# Altium PCB PCB_ControlCard.PcbDoc (part 1 of 4) (continued)
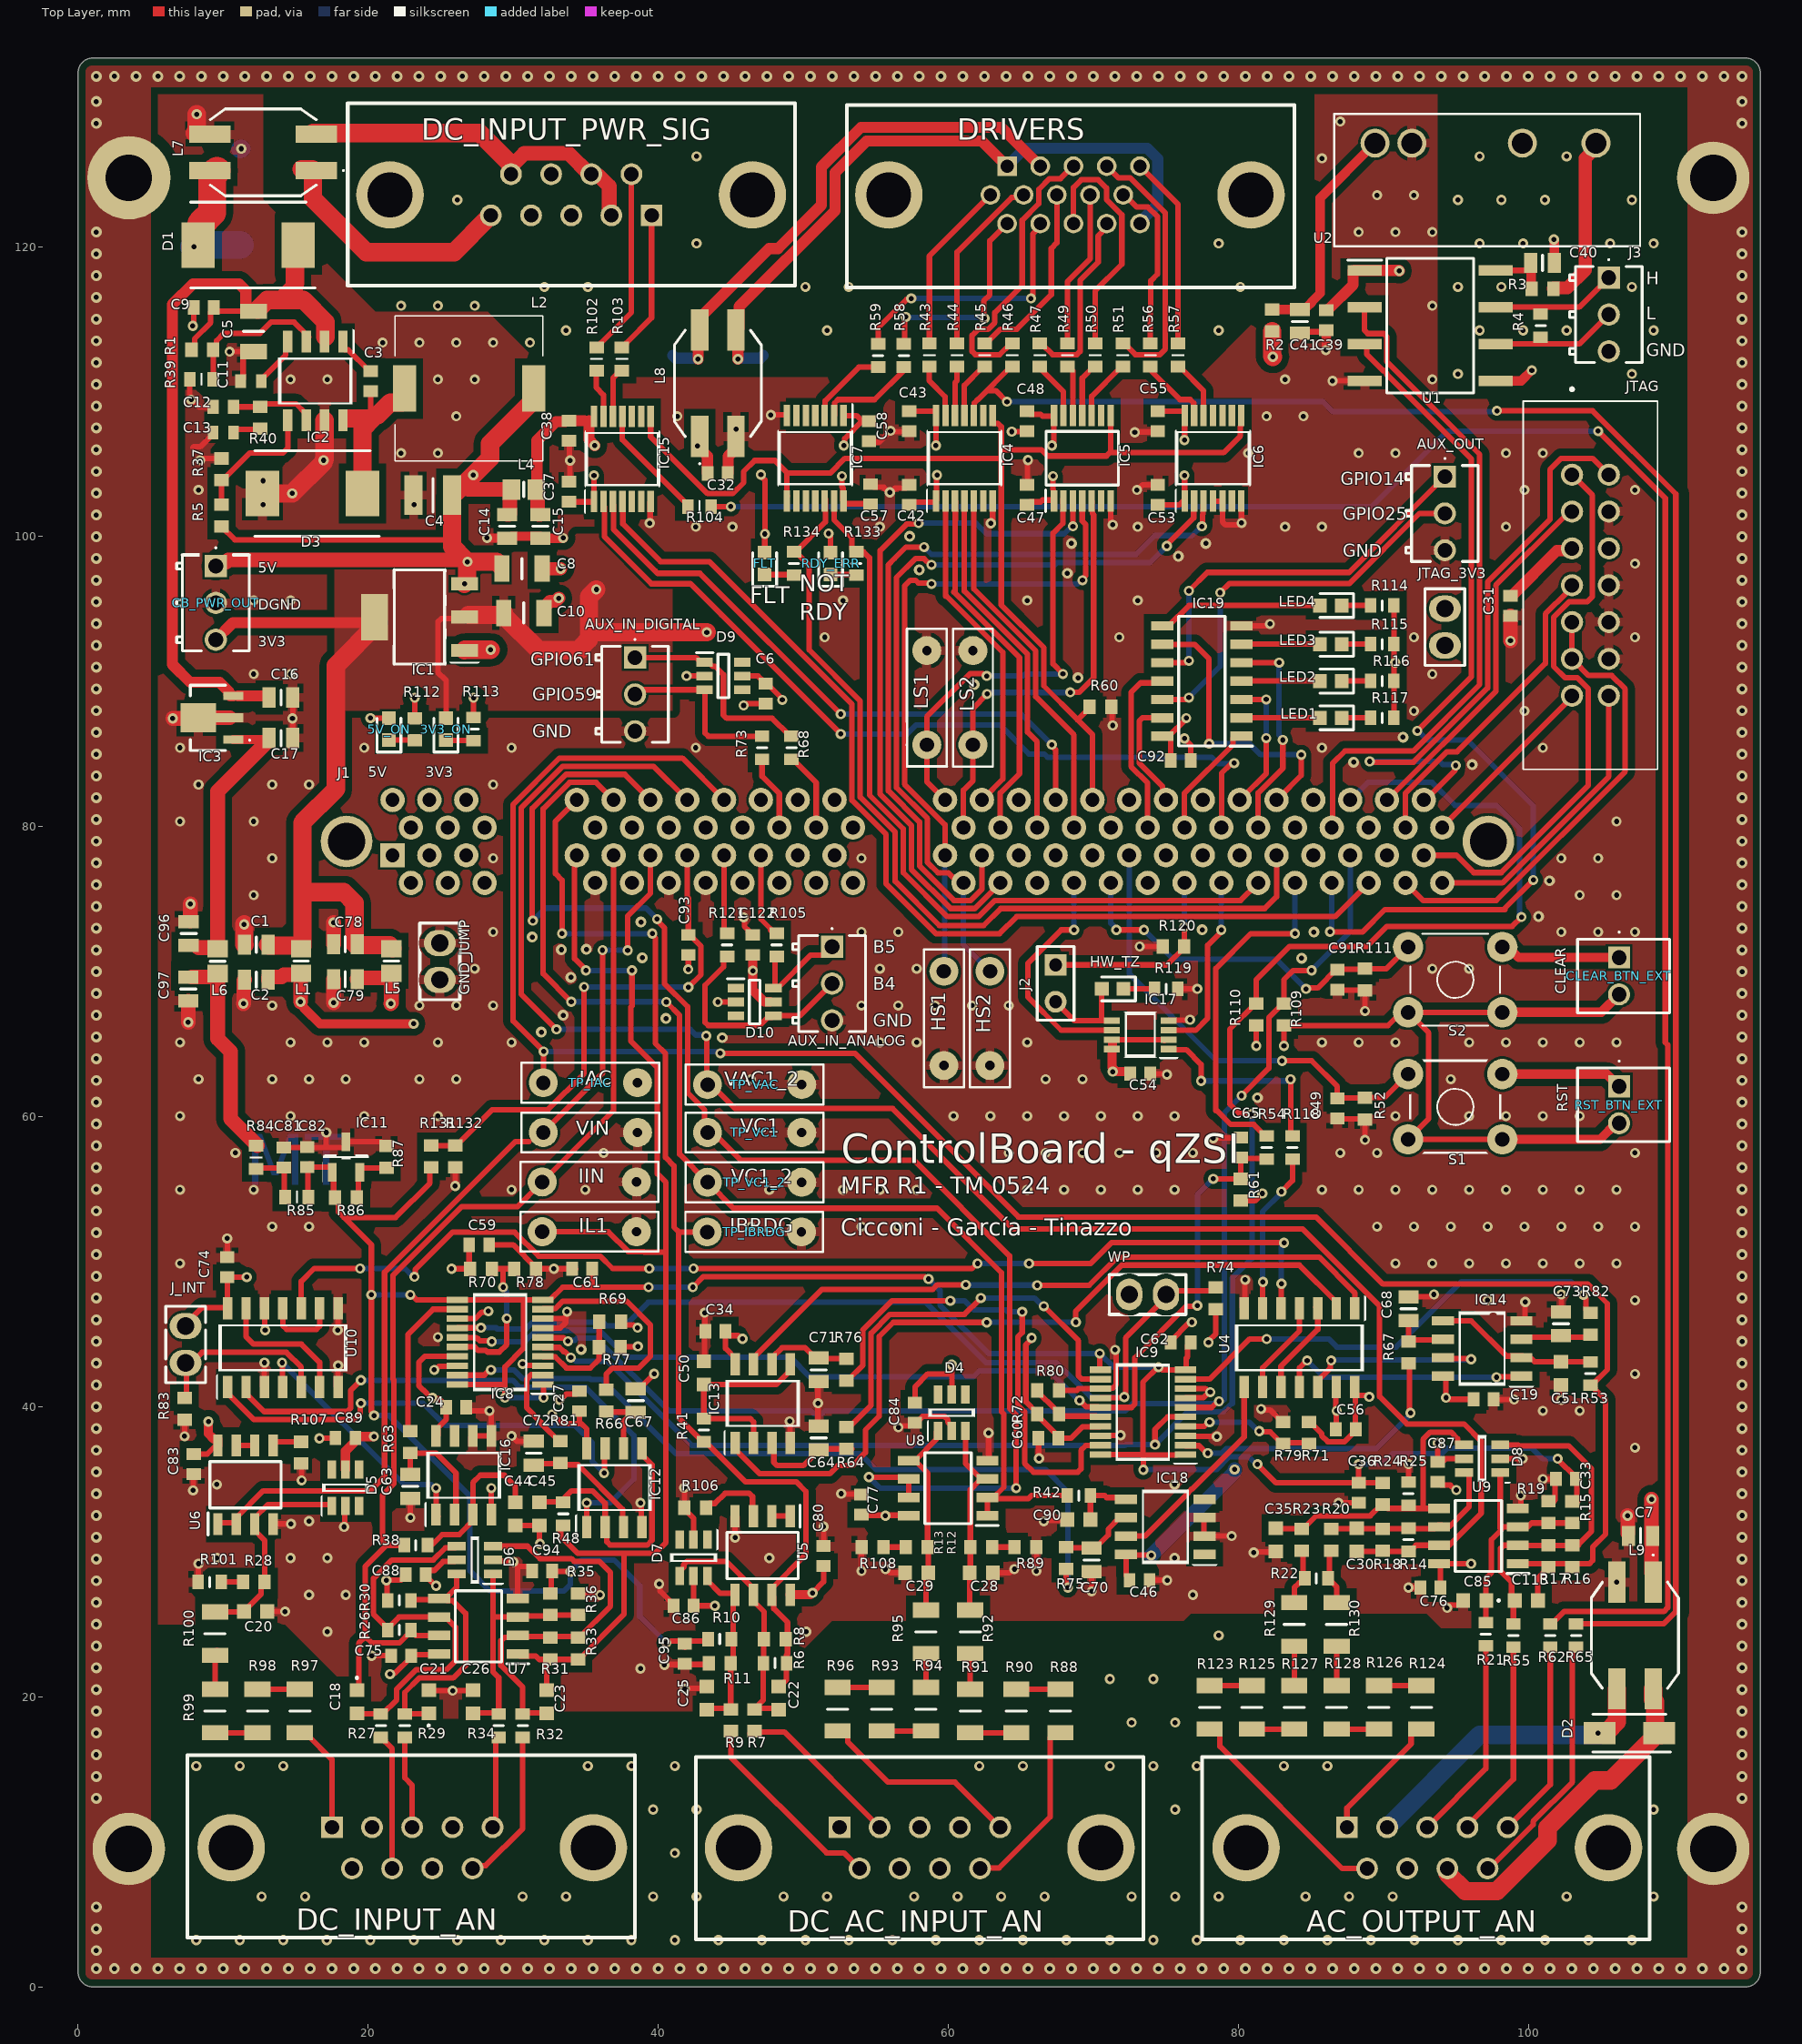
[diagram p0: Top Layer view]
## Design rules (kind name [scope] priority, off if disabled: settings)
BoardOutlineClearance [All] p1: gap=0.5 ignorepadtopadclearanceinfootprint=FALSE
Clearance TopGND [InNet('AGND') vs OnLayer('Top Layer')] p1: gap=0.178 ignorepadtopadclearanceinfootprint=TRUE except(0.5: Arc-Fill Arc-Poly Arc-Region Track-Fill Track-Poly Track-Region SMDPad-Fill SMDPad-Poly SMDPad-Region THPad-Fill THPad-Poly THPad-Region Via-Fill Via-Poly Via-Region Fill-Fill Fill-Poly Fill-Region Poly-Poly Poly-Region Region-Region)
Clearance HV_sens [InNetClass('HV_track')] p2: gap=1 ignorepadtopadclearanceinfootprint=TRUE
Clearance Earth [InNet('EARTH')] p3: gap=1 ignorepadtopadclearanceinfootprint=FALSE except(0.75: Arc-Fill Arc-Poly Arc-Region Track-Fill Track-Poly Track-Region SMDPad-Fill SMDPad-Poly SMDPad-Region THPad-Fill THPad-Poly THPad-Region Via-Fill Via-Poly Via-Region Fill-Fill Fill-Poly Fill-Region Poly-Poly Poly-Region Region-Region)
Clearance [All] p4: gap=0.178 ignorepadtopadclearanceinfootprint=TRUE except(1: Fill-Fill Fill-Poly Fill-Region Poly-Poly Poly-Region Region-Region)
HoleSize [All] p1: absolutevalues=TRUE maxlimit=6.2 minlimit=0.35 maxpercent=80.000 minpercent=20.000
HoleToHoleClearance [All] p1: gap=0.2 allowstackedmicrovias=TRUE
MinimumSolderMaskSliver [All] p1: minsoldermaskwidth=0.127
PolygonConnect PolygonConnect_1 [HoleDiameter = 3.2] p1: connectstyle=Direct reliefconductorwidth=0.254 reliefentries=4 polygonreliefangle="90 Angle" airgapwidth=0.254
PolygonConnect "Earth plane" [InNet('EARTH')] p2: thpad.connectstyle=Relief thpad.reliefconductorwidth=1.27 thpad.reliefentries=4 thpad.polygonreliefangle="90 Angle" thpad.airgapwidth=0.254 smdpad.connectstyle=Direct smdpad.reliefconductorwidth=0.254 smdpad.reliefentries=4 smdpad.polygonreliefangle="90 Angle" smdpad.airgapwidth=0.254 via.connectstyle=Direct via.reliefconductorwidth=0.254 via.reliefentries=4 via.polygonreliefangle="90 Angle" via.airgapwidth=0.254
PolygonConnect "3V3 heatsink" [InNet('3V3') vs HasFootprint('SOT230P700X180-4N')] p3: connectstyle=Direct reliefconductorwidth=0.254 reliefentries=4 polygonreliefangle="90 Angle" airgapwidth=0.254
PolygonConnect [All] p4: thpad.connectstyle=Relief thpad.reliefconductorwidth=0.635 thpad.reliefentries=4 thpad.polygonreliefangle="90 Angle" thpad.airgapwidth=0.254 smdpad.connectstyle=Relief smdpad.reliefconductorwidth=0.635 smdpad.reliefentries=4 smdpad.polygonreliefangle="90 Angle" smdpad.airgapwidth=0.254 via.connectstyle=Direct via.reliefconductorwidth=0.254 via.reliefentries=4 via.polygonreliefangle="90 Angle" via.airgapwidth=0.254
RoutingVias [All] p1: holewidth=0.35 width=0.7 viastyle="Through Hole" minholewidth=0.35 minwidth=0.6 maxholewidth=5 maxwidth=6
SilkToSilkClearance [All] p1: silktosilkclearance=0.127
SilkToSolderMaskClearance [IsPad] p1: minsilkscreentomaskgap=0.127 clearancetoexposedcopper=TRUE
SolderMaskExpansion [All] p1: expansion=0.2 istentingtop=FALSE
Width [All] p1: maxlimit=5.08 minlimit=0.2 preferedwidth=0.381 toplayer_minwidth=0.254 toplayer_maxwidth=2.54 midlayer1_prefwidth=0.3 midlayer2_prefwidth=0.3 bottomlayer_minwidth=0.254 bottomlayer_maxwidth=2.54 minimp=50.000000 maximp=50.000000 favimp=50.000000
25 further rules are at their usual default settings.

## Classes and differential pairs
component class DriverSignals: C32 C37 C38 C42 C43 C47 C48 C52 C53 C55 C57 C58 C66 C118 C119 DC_INPUT_PWR_SIG DRIVERS IC4 IC5 IC6 IC7 IC15 L7 L8 R43 R44 R45 R46 R47 R49 R50 R51 R56 R57 R58 R59 R102 R103 R104
net class HV_track: NetR88_1 NetR90_1 NetR91_1 NetR93_1 NetR93_2 NetR94_1 NetR97_1 NetR98_1 NetR99_1 NetR123_1 NetR124_1 NetR125_1 NetR126_1 NetR127_1 NetR128_1 VAC1_sns VAC2_sns VC1_2_sns VC1_sns Vin_sns
component class Analogicas: 0 AC_OUTPUT_AN C18 C20 C21 C22 C23 C25 C26 C28 C29 C30 C33 C35 C36 C69 C75 C76 C77 C80 C81 C82 C83 C84 C85 C86 C87 C88 C89 C93 C94 C95 C98 C99 C100 C101 C102 C103 C104 C105 C106 C107 C108 C109 C110 C111 C112 C113 C114 C115 C116 C117 C120 C121 D2 D4 D5 D6 D7 D8 DC_AC_INPUT_AN DC_INPUT_AN IC11 L9 R6 R7 R8 R9 R10 R11 R12 R13 R14 R15 R16 R17 R18 R19 R20 R21 R22 R23 R24 R25 R26 R27 R28 R29 R30 R31 R32 R33 R34 R35 R36 R55 R62 R65 R84 R85 R86 R87 R88 R89 R90 R91 R92 R93 R94 R95 R96 R97 R98 R99 R100 R101 R106 R107 R108 R123 R124 R125 R126 R127 R128 R129 R130 R131 R132 U5 U6 U7 U8 U9
component class Control: 3V3_ON 5V_ON AUX_IN_ANALOG AUX_IN_DIGITAL AUX_OUT C1 C2 C3 C4 C5 C6 C7 C8 C9 C10 C11 C12 C13 C14 C15 C16 C17 C31 C49 C91 C92 C96 C97 C122 CB_PWR_OUT CLEAR_BTN_EXT D1 D3 D9 D10 FLT GND_JUMP IC1 IC2 IC3 IC19 J1 JTAG JTAG_3V3 L1 L2 L4 L6 LED1 LED2 LED3 LED4 R1 R5 R37 R39 R40 R52 R60 R68 R73 R105 R109 R110 R111 R112 R113 R114 R115 R116 R117 R121 R133 R134 RDY_ERR RST_BTN_EXT S1 S2 TP_HS1 TP_HS2 TP_IAC TP_IBRDG TP_IIN TP_IL1 TP_LS1 TP_LS2 TP_VAC TP_VC1 TP_VC1_2 TP_VIN
component class CAN: C39 C40 C41 J3 R2 R3 R4 U1 U2
component class Int_Hard: C19 C24 C27 C34 C44 C45 C46 C50 C51 C54 C56 C59 C60 C61 C62 C63 C64 C65 C67 C68 C70 C71 C72 C73 C74 C78 C79 C90 HW_TZ IC8 IC9 IC12 IC13 IC14 IC16 IC17 IC18 J2 J_INT L5 R38 R41 R42 R48 R53 R54 R61 R63 R64 R66 R67 R69 R70 R71 R72 R74 R75 R76 R77 R78 R79 R80 R81 R82 R83 R118 R119 R120 U4 U10 WP

## Components (designator, comment, footprint, x,y, rotation, side; value= is the part's Value field where it differs from the comment)
3V3_ON "GREEN" LEDC1608X80N 25.368,86.725 r90 top
5V_ON "GREEN" LEDC1608X80N 21.431,86.725 r90 top
AC_OUTPUT_AN "L77TSEH09SOL2RM8" L77TSEH09SOL2RM8#1 87.5,11 r180 bottom locked
AUX_IN_ANALOG "76384-303LF" 76384303LF 51.99,71.723 r270 top
AUX_IN_DIGITAL "76384-303LF" 76384303LF 38.401,91.662 r270 top
AUX_OUT "76384-303LF" 76384303LF 94.253,104.14 r270 top
C1 "CL21B105KAFNNNG" CAPC2012X135N 12.287,71.866 r0 top
C2 "CL21B105KAFNNNG" CAPC2012X135N 12.287,69.453 r0 top
C3 "100n 16V 0603" CAPC1608X95N 20.17,110.737 r270 top value=100n
C4 "GRM32EC81C476KE15K" CAPC3225X270N 24.464,102.858 r0 top value=47u
C5 "CL31A226KAHNNNE" CAPC3216X180N 12.097,114.157 r90 top value=22u
C6 "100n 16V 0603" CAPC1608X95N 47.418,89.177 r270 top value=100n
C7 "CL21B105KAFNNNG" CAPC2012X135N 107.743,31.083 r0 top
C8 "CL31A226KAHNNNE" CAPC3216X180N 30.607,97.79 r0 top value=22u
C9 "100n 16V 0603" CAPC1608X95N 8.668,115.808 r180 top value=100n
C10 "CL31A226KAHNNNE" CAPC3216X180N 30.734,94.742 r0 top value=22u
C11 "CGA3E2X7R1H103K080AA" CAPC1608X90N 11.915,110.737 r180 top value=10n
C12 "C0603C100K3GACTU" CAPC1608X87N 10.01,108.959 r180 top value=10p
C13 "CGA3E2X7R2A102K080AA" CAPC1608X90N 10.01,107.181 r180 top value=1n
C14 "CL21B105KAFNNNG" CAPC2012X135N 29.591,100.711 r90 top
C15 "CL21B105KAFNNNG" CAPC2012X135N 31.877,100.711 r90 top
C16 "1u" CAPC2012X135N 13.989,88.909 r0 top
C17 "1u" CAPC2012X135N 13.989,86.115 r0 top
C18 "120p" C0603 19.224,19.653 r270 top
C19 "100n 16V 0603" CAPC1608X95N 96.92,40.513 r0 top value=100n
C20 "220p 50V 5% 0603" C0603 12.239,25.876 r0 top value=220p
C21 "C0603C121J5GAC7411" C0603 24.177,19.653 r90 top value=120p
C22 "C0603C121J5GAC7411" C0603 48.307,19.907 r90 top value=120p
C23 "220p" C0603 32.305,19.653 r90 top
C24 "100n 16V 0603" CAPC1608X95N 26.082,39.973 r0 top value=100n
C25 "C0603C121J5GAC7411" C0603 43.354,19.907 r270 top value=120p
C26 "220p" C0603 27.225,19.653 r270 top
C27 "100n 16V 0603" CAPC1608X95N 34.563,40.386 r90 top value=100n
C28 "C0603C331J5GACAUTO" C0603 62.277,28.543 r0 top value=330p
C29 "C0603C331J5GACAUTO" C0603 57.832,28.543 r180 top value=330p
C30 "C0603C221J5HACAUTO" C0603 88.185,30.829 r90 top value=220p
C31 "100n 16V 0603" CAPC1608X95N 98.774,95.234 r270 top value=100n
C32 "100n 16V 0603" CAPC1608X95N 44.116,104.362 r0 top value=100n
C33 "100n 16V 0603" CAPC1608X95N 102.608,35.02 r180 top value=100n
C34 "100n 16V 0603" CAPC1608X95N 43.961,45.212 r180 top value=100n
C35 "C0603C221J5HACAUTO" C0603 82.597,30.829 r270 top value=220p
C36 "100n 16V 0603" CAPC1608X95N 88.312,34.059 r270 top value=100n
C37 "100n 16V 0603" CAPC1608X95N 33.846,103.108 r90 top value=100n
C38 "100n 16V 0603" CAPC1608X95N 33.846,107.299 r270 top value=100n
C39 "100n 16V 0603" CAPC1608X95N 86.074,114.919 r270 top value=100n
C40 "1u" CAPC2012X135N 100.984,118.872 r180 top
C41 "1u" CAPC2012X135N 84.245,114.843 r270 top
C42 "100n 16V 0603" CAPC1608X95N 57.307,102.873 r90 top value=100n
C43 "100n 16V 0603" CAPC1608X95N 57.307,107.953 r270 top value=100n
C44 "220p 50V 5% 0603" C0603 30.146,32.607 r270 top value=220p
C45 "220p 50V 5% 0603" C0603 31.797,32.607 r270 top value=220p
C46 "100n 16V 0603" CAPC1608X95N 73.199,28.035 r180 top value=100n
C47 "100n 16V 0603" CAPC1608X95N 65.435,102.873 r90 top value=100n
C48 "100n 16V 0603" CAPC1608X95N 65.435,107.953 r270 top value=100n
C49 "100n 16V 0603" CAPC1608X95N 86.836,60.563 r270 top value=100n
C50 "220p 50V 5% 0603" C0603 43.147,42.326 r90 top value=220p
C51 "220p 50V 5% 0603" C0603 102.254,42.291 r270 top value=220p
C52 "LDEQD1100KA5N00" C_2220_1206 13.89,126.714 r0 bottom
C53 "100n 16V 0603" CAPC1608X95N 74.452,102.873 r90 top value=100n
C54 "100n 16V 0603" CAPC1608X95N 73.247,62.976 r0 top value=100n
C55 "100n 16V 0603" CAPC1608X95N 74.452,107.953 r270 top value=100n
C56 "100n 16V 0603" CAPC1608X95N 87.423,38.449 r180 top value=100n
C57 "100n 16V 0603" CAPC1608X95N 54.64,102.928 r90 top value=100n
C58 "100n 16V 0603" CAPC1608X95N 54.53,107.283 r270 top value=100n
C59 "100n 16V 0603" CAPC1608X95N 27.654,51.165 r0 top value=100n
C60 "100n 16V 0603" CAPC1608X95N 66.897,37.83 r180 top value=100n
C61 "100n 16V 0603" CAPC1608X95N 34.766,49.514 r180 top value=100n
C62 "100n 16V 0603" CAPC1608X95N 76.041,44.434 r180 top value=100n
C63 "1u" CAPC2012X135N 22.907,34.512 r270 top
C64 "1u" CAPC2012X135N 51.073,37.846 r90 top
C65 "100n 16V 0603" CAPC1608X95N 80.184,57.88 r90 top value=100n
C66 "LDEQD1100KA5N00" C_2220_1206 13.89,120.11 r0 bottom
C67 "1u" CAPC2012X135N 38.448,40.421 r90 top
C68 "1u" CAPC2012X135N 91.75,46.75 r90 top
C69 "C1206C102KGRACAUTO" C1206 19.605,18.383 r270 bottom
C70 "1u" CAPC2012X135N 69.897,29.432 r270 top
C71 "1u" CAPC2012X135N 51.073,42.545 r270 top
C72 "1u" CAPC2012X135N 31.416,36.798 r90 top
C73 "1u" CAPC2012X135N 102.254,45.72 r90 top
C74 "100n 16V 0603" CAPC1608X95N 10.28,49.616 r90 top value=100n
C75 "100n 16V 0603" CAPC1608X95N 22.272,22.828 r180 top value=100n
C76 "100n 16V 0603" CAPC1608X95N 93.265,27.527 r180 top value=100n
C77 "100n 16V 0603" CAPC1608X95N 54.022,33.242 r90 top value=100n
C78 "CL21B105KAFNNNG" CAPC2012X135N 18.427,71.885 r0 top
C79 "CL21B105KAFNNNG" CAPC2012X135N 18.427,69.472 r0 top
C80 "100n 16V 0603" CAPC1608X95N 51.403,29.702 r90 top value=100n
C81 "100n 16V 0603" CAPC1608X95N 14.177,57.195 r90 top value=100n
C82 "100n 16V 0603" CAPC1608X95N 15.802,57.221 r90 top value=100n
C83 "100n 16V 0603" CAPC1608X95N 7.969,36.052 r270 top value=100n
C84 "100n 16V 0603" CAPC1608X95N 57.705,39.592 r270 top value=100n
C85 "C0603C121J5GAC7411" C0603 96.313,26.638 r180 top value=120p
C86 "100n 16V 0603" CAPC1608X95N 41.751,26.273 r180 top value=100n
C87 "100n 16V 0603" CAPC1608X95N 93.75,35.5 r270 top value=100n
C88 "100n 16V 0603" CAPC1608X95N 23.288,28.416 r180 top value=100n
C89 "100n 16V 0603" CAPC1608X95N 18.434,37.846 r180 top value=100n
C90 "220p 50V 5% 0603" C0603 69.008,32.226 r180 top value=220p
C91 "100n 16V 0603" CAPC1608X95N 86.836,69.453 r270 top value=100n
C92 "100n 16V 0603" CAPC1608X95N 76.041,84.566 r0 top value=100n
C93 "100n 16V 0603" CAPC1608X95N 42.084,71.85 r270 top value=100n
C94 "100n 16V 0603" CAPC1608X95N 31.996,28.67 r180 top value=100n
C95 "100n 16V 0603" CAPC1608X95N 41.83,22.955 r270 top value=100n
C96 "CL21B105KAFNNNG" CAPC2012X135N 7.616,72.637 r270 top
C97 "CL21B105KAFNNNG" CAPC2012X135N 7.591,68.802 r90 top
C98 "LDEQD1100KA5N00" C_2220_1206 11.096,24.352 r270 bottom
C99 "C1206C102KGRACAUTO" C1206 110.25,107.5 r0 bottom
C100 "C1206C102KGRACAUTO" C1206 110.25,31 r0 bottom
C101 "C1206C102KGRACAUTO" C1206 5.75,31 r180 bottom
C102 "C1206C102KGRACAUTO" C1206 5.75,107.5 r180 bottom
C103 "LDEQD1100KA5N00" C_2220_1206 63.293,24.479 r270 bottom
C104 "C1206C102KGRACAUTO" C1206 5.75,77.5 r180 bottom
C105 "LDEQD1100KA5N00" C_2220_1206 56.943,24.479 r270 bottom
C106 "C1206C102KGRACAUTO" C1206 110.25,77.5 r0 bottom
C107 "LDEQD1100KA5N00" C_2220_1206 88.566,24.987 r270 bottom
C108 "LDEQD1100KA5N00" C_2220_1206 94.916,24.278 r270 bottom
C109 "LDEQD1100KA5N00" C_2220_1206 107.108,24.278 r270 bottom
C110 "LDEQD1100KA5N00" C_2220_1206 82.089,24.987 r270 bottom
C111 "LDEQD1100KA5N00" C_2220_1206 101.012,24.328 r270 bottom
C112 "C1206C102KGRACAUTO" C1206 24.05,18.383 r270 bottom
C113 "C0603C121J5GAC7411" C0603 99.869,26.638 r0 top value=120p
C114 "C1206C102KGRACAUTO" C1206 31.543,18.383 r270 bottom
C115 "C1206C102KGRACAUTO" C1206 43.735,18.383 r270 bottom
C116 "C1206C102KGRACAUTO" C1206 27.86,18.383 r270 bottom
C117 "C1206C102KGRACAUTO" C1206 48.053,18.383 r270 bottom
C118 "C1206C102KGRACAUTO" C1206 47.25,114 r90 bottom
C119 "C1206C102KGRACAUTO" C1206 41,114 r90 bottom
C120 "C1206C102KGRACAUTO" C1206 54.53,112.236 r90 bottom
C121 "C1206C102KGRACAUTO" C1206 75.739,112.236 r90 bottom
C122 "100n 16V 0603" CAPC1608X95N 46.529,71.85 r90 top value=100n
CB_PWR_OUT "76384-303LF" 76384303LF 9.493,97.977 r270 top
CLEAR_BTN_EXT "3-647050-2" 36470502 106.267,70.977 r90 top
D1 "SS34" DIOM7959X262N 11.731,120.11 r180 top
D2 "SMAJ5.0A" DIOM5026X229N 106.981,17.494 r180 top
D3 "SS34" DIOM7959X262N 16.161,102.981 r180 top
D4 "CM1293A-04SO" SOT95P275X110-6N 60.245,39.592 r90 top
D5 "CM1293A-04SO" SOT95P275X110-6N 18.434,34.417 r90 top
D6 "CM1293A-04SO" SOT95P275X110-6N 27.352,29.432 r180 top
D7 "CM1293A-04SO" SOT95P275X110-6N 42.437,29.591 r270 top
D8 "CM1293A-04SO" SOT95P275X110-6N 96.821,36.417 r180 top
D9 "D5V0P4UR6SO-7" SOT95P285X140-6N 44.497,90.392 r0 top
D10 "D5V0P4UR6SO-7" SOT95P285X140-6N 46.656,67.913 r0 top
DC_AC_INPUT_AN "L77TSEH09SOL2RM8" L77TSEH09SOL2RM8#1 52.5,11 r180 bottom locked
DC_INPUT_AN "L77TSEH09SOL2RM8" L77TSEH09SOL2RM8#2 17.5,11 r180 bottom locked
DC_INPUT_PWR_SIG "L77TSEH09SOL2RM8" L77TSEH09SOL2RM8#1 39.544,122.158 r0 bottom
DRIVERS "10090929-S154VLF" 10090929S154VLF 64.059,125.551 r180 bottom
FLT "RED" LEDC1608X80N 47.339,98.155 r90 top
GND_JUMP "Header 2" HDR1X2#1 24.939,71.977 r270 top
HW_TZ "RED" LEDC1608X80N 71.342,68.818 r180 top
IC1 "AZ1117 3v3" SOT230P700X180-4N 23.538,94.458 r180 top
IC2 "TPS54331D" SOIC127P600X175-8N 16.36,110.737 r270 top
IC3 "L78L05ABUTR" L78L05ABUTR 8.955,87.512 r90 top
IC4 "TXU0104PWR" SOP65P640X120-14N 61.117,105.413 r90 top
IC5 "TXU0104PWR" SOP65P640X120-14N 69.245,105.413 r90 top
IC6 "TXU0104PWR" SOP65P640X120-14N 78.262,105.413 r90 top
IC7 "TXU0104PWR" SOP65P640X120-14N 50.83,105.413 r270 top
IC8 "MCP4461-503E_ST" SOP65P640X120-20N 29.102,44.45 r180 top
IC9 "MCP4461-503E_ST" SOP65P640X120-20N 73.425,39.624 r180 top
IC11 "TL431" SOT95P237X112-3N 18.469,57.221 r90 top
IC12 "LMV393IDRG4" SOIC127P600X175-8N 36.976,34.417 r90 top
IC13 "LMV393IDRG4" SOIC127P600X175-8N 47.211,40.224 r90 top
IC14 "LMV393IDRG4" SOIC127P600X175-8N 96.821,44.017 r180 top
IC15 "TXU0104PWR" SOP65P640X120-14N 37.529,105.359 r90 top
IC16 "LMV393IDRG4" SOIC127P600X175-8N 26.59,35.274 r90 top
IC17 "SN74LVC2G74DCTRE6" SOP65P400X130-8N 73.247,65.643 r180 top
IC18 "LMV393IDRG4" SOIC127P600X175-8N 74.977,31.718 r180 top
IC19 "74HC04D_BJ_" SOIC127P600X175-14N#1 77.489,90.043 r180 top
J1 "DIM100" MOLEXDIMM-100-876301001_SD 18.509,78.984 r0 top locked
J2 "Header 2" HDR1X2#2 67.405,70.469 r270 top
J3 "CAN" 76384303LF 105.556,117.856 r270 top
J_INT "Header 2" HDR1X2#1 7.413,45.561 r270 top
JTAG "TST-107-01-G-D-06" TST10701GD06 103.016,104.267 r270 top
JTAG_3V3 "Header 2" HDR1X2#1 94.25,95.04 r270 top
L1 "78279220601" BEADC2012X110N 15.379,70.742 r270 top
L2 "CDRH104RNP-100NC" CDRH104RNP100NC 26.956,110.22 r90 top value=10u
L4 "78279220601" BEADC2012X110N 30.734,103.251 r0 top
L5 "78279220601" BEADC2012X110N 21.602,70.742 r270 top
L6 "78279220601" BEADC2012X110N 9.62,70.723 r270 top
L7 "50105AC" 50105AC 12.75,126.5 r180 top
L8 "50105AC" 50105AC 44.116,110.585 r90 top
L9 "50105AC" 50105AC 107.362,24.225 r270 top
LED1 "RED" LEDC1608X80N 86.379,87.503 r180 top
LED2 "RED" LEDC1608X80N 86.379,90.043 r180 top
LED3 "RED" LEDC1608X80N 86.379,92.583 r180 top
LED4 "RED" LEDC1608X80N 86.379,95.25 r180 top
R1 "CRCW06031M00FKEA" RESC1608X50N 8.566,112.88 r180 top value=1M
R2 "CRCW060310R0FKEAHP" RESC1608X50N 82.34,114.919 r90 top value=10
R3 "CRCW060310R0FKEAHP" RESC1608X50N 100.984,117.094 r180 top value=10
R4 "CRCW06031K00FKEAC" RESC1608X55N 100.857,114.554 r90 top value=1k
R5 "CRCW060312K0FKEA" RESC1608X50N 9.883,101.466 r270 top value=12k
R6 "68k" RESC1608X55N 48.053,22.32 r180 top
R7 "CRCW06036K80FKEA" RESC1608X50N 46.656,18.383 r270 top value=6k8
R8 "CRCW060318K0FKEA" RESC1608X50N 48.053,23.971 r180 top value=18k
R9 "CRCW06036K80FKEA" RESC1608X50N 45.005,18.383 r270 top value=6k8
R10 "68k" RESC1608X55N 44.243,23.971 r180 top
R11 "CRCW060318K0FKEA" RESC1608X50N 44.243,22.32 r0 top value=18k
R12 "CRCW06033K90FKEA" RESC1608X50N 62.277,30.321 r180 top value=3k9
R13 "CRCW06034K70FKEAHP" RESC1608X50N 57.832,30.321 r0 top value=4k7
R14 "CRCW060315K0FKEAC" RESC1608X55N 91.741,30.829 r270 top value=15k
R15 "47k" RESC1608X50N 103.044,32.722 r90 top
R16 "47k" RESC1608X50N 103.044,29.686 r90 top
R17 "CRCW060339K0FKEA" RESC1608X50N 101.393,29.686 r90 top value=39k
R18 "CRCW060318K0FKEA" RESC1608X50N 89.963,30.829 r270 top value=18k
R19 "CRCW060339K0FKEA" RESC1608X50N 101.393,32.734 r270 top value=39k
R20 "CRCW060318K0FKEA" RESC1608X50N 86.407,30.829 r270 top value=18k
R21 "8k2" RESC1608X55N 97.075,24.314 r90 top
R22 "CRCW060327K0FKEAC" RESC1608X55N 85.391,28.162 r0 top value=27k
R23 "CRCW060318K0FKEA" RESC1608X50N 84.375,30.829 r270 top value=18k
R24 "CRCW060318K0FKEA" RESC1608X50N 89.963,34.004 r90 top value=18k
R25 "CRCW060315K0FKEAC" RESC1608X55N 91.741,34.004 r90 top value=15k
R26 "CRCW060315K0FKEAC" RESC1608X55N 22.145,24.606 r180 top value=15k
R27 "CRCW06031K00FKEAC" RESC1608X55N 20.875,18.002 r90 top value=1k
R28 "CRCW06036K80FKEA" RESC1608X50N 12.112,27.908 r0 top value=6k8
R29 "CRCW06031K00FKEAC" RESC1608X55N 22.526,18.002 r90 top value=1k
R30 "CRCW060315K0FKEAC" RESC1608X55N 22.145,26.638 r0 top value=15k
R31 "CRCW060339K0FKEA" RESC1608X50N 32.559,23.336 r90 top value=39k
R32 "CRCW06031K80FKEAC" RESC1608X55N 30.654,18.002 r270 top value=1k8
R33 "CRCW060310K0FKEA" RESC1608X50N 34.464,23.336 r90 top value=10k
R34 "CRCW06031K80FKEAC" RESC1608X55N 29.003,18.002 r270 top value=1k8
R35 "CRCW060339K0FKEA" RESC1608X50N 32.559,26.384 r90 top value=39k
R36 "CRCW060310K0FKEA" RESC1608X50N 34.464,26.384 r90 top value=10k
R37 "CRCW06032K20FKEA" RESC1608X50N 9.883,104.641 r270 top value=2k2
R38 "CRCW0603100RFKEBC" RESC1608X55N 23.288,30.448 r0 top value=100
R39 "CRCW0603100KFKEAC" RESC1608X55N 8.503,110.855 r0 top value=100k
R40 "CRCW060339K0FKEA" RESC1608X50N 12.55,108.197 r90 top value=39k
R41 "CRCW0603100RFKEBC" RESC1608X55N 43.147,38.389 r90 top value=100
R42 "CRCW0603100RFKEBC" RESC1608X55N 69.008,33.877 r0 top value=100
R43 "CRCW060375R0FKEAC" RESC1608X55N 58.704,112.525 r90 top value=75
R44 "CRCW060375R0FKEAC" RESC1608X55N 60.609,112.525 r90 top value=75
R45 "CRCW060375R0FKEAC" RESC1608X55N 62.514,112.525 r90 top value=75
R46 "CRCW060375R0FKEAC" RESC1608X55N 64.419,112.525 r90 top value=75
R47 "CRCW060375R0FKEAC" RESC1608X55N 66.324,112.525 r90 top value=75
R48 "CRCW0603100RFKEBC" RESC1608X55N 33.448,32.607 r90 top value=100
R49 "CRCW060375R0FKEAC" RESC1608X55N 68.229,112.525 r90 top value=75
R50 "CRCW060375R0FKEAC" RESC1608X55N 70.134,112.525 r90 top value=75
R51 "CRCW060375R0FKEAC" RESC1608X55N 72.039,112.525 r90 top value=75
R52 "CRCW060310K0FKEA" RESC1608X50N 88.741,60.563 r90 top value=10k
R53 "CRCW0603100RFKEBC" RESC1608X55N 104.286,42.291 r90 top value=100
R54 "CRCW0603100RFKEBC" RESC1608X55N 81.962,57.88 r90 top value=100
R55 "8k2" RESC1608X55N 98.98,24.225 r90 top
R56 "CRCW060375R0FKEAC" RESC1608X55N 73.944,112.525 r90 top value=75
R57 "CRCW060375R0FKEAC" RESC1608X55N 75.849,112.525 r90 top value=75
R58 "CRCW060375R0FKEAC" RESC1608X55N 56.943,112.49 r90 top value=75
R59 "CRCW060375R0FKEAC" RESC1608X55N 55.165,112.49 r90 top value=75
R60 "CRCW060310K0FKEA" RESC1608X50N 70.504,88.265 r180 top value=10k
R61 "CRCW060310K0FKEA" RESC1608X50N 80.184,54.959 r90 top value=10k
R62 "CRCW060375R0FKEAC" RESC1608X55N 101.52,24.225 r90 top value=75
R63 "CRCW060310K0FKEA" RESC1608X50N 22.907,37.56 r90 top value=10k
R64 "CRCW060310K0FKEA" RESC1608X50N 52.978,37.846 r90 top value=10k
R65 "CRCW060375R0FKEAC" RESC1608X55N 103.298,24.225 r90 top value=75
R66 "CRCW060310K0FKEA" RESC1608X50N 36.416,40.421 r90 top value=10k
R67 "CRCW060310K0FKEA" RESC1608X50N 91.75,43.75 r270 top value=10k
R68 "CRCW060375R0FKEAC" RESC1608X55N 49.196,85.439 r90 top value=75
R69 "CRCW060310K0FKEA" RESC1608X50N 36.696,45.856 r180 top value=10k
R70 "CRCW060310K0FKEA" RESC1608X50N 27.781,49.514 r0 top value=10k
R71 "CRCW060310K0FKEA" RESC1608X50N 84.883,38.195 r270 top value=10k
R72 "CRCW060310K0FKEA" RESC1608X50N 66.897,39.481 r0 top value=10k
R73 "CRCW060375R0FKEAC" RESC1608X55N 47.164,85.439 r90 top value=75
R74 "CRCW060310K0FKEA" RESC1608X50N 78.454,47.482 r90 top value=10k
R75 "CRCW060310K0FKEA" RESC1608X50N 68.119,29.559 r270 top value=10k
R76 "CRCW060310K0FKEA" RESC1608X50N 52.978,42.545 r270 top value=10k
R77 "CRCW060310K0FKEA" RESC1608X50N 36.67,44.104 r0 top value=10k
R78 "CRCW060310K0FKEA" RESC1608X50N 30.829,49.514 r0 top value=10k
R79 "CRCW060310K0FKEA" RESC1608X50N 83.105,38.195 r90 top value=10k
R80 "CRCW060310K0FKEA" RESC1608X50N 66.897,41.132 r0 top value=10k
R81 "CRCW060310K0FKEA" RESC1608X50N 33.241,36.865 r90 top value=10k
R82 "CRCW060310K0FKEA" RESC1608X50N 104.286,45.72 r90 top value=10k
R83 "CRCW060310K0FKEA" RESC1608X50N 7.334,39.862 r270 top value=10k
R84 "CRCW0603100RFKEBC" RESC1608X55N 12.272,57.195 r270 top value=100
R85 "CRCW0603100RFKEBC" RESC1608X55N 15.081,54.467 r0 top value=100
R86 "CRCW06031K50FKEA" RESC1608X50N 18.469,54.427 r0 top value=1k5
R87 "CRCW06034K70FKEAHP" RESC1608X50N 21.263,57.221 r90 top value=4k7
R88 "CRCW1206220KFKEA" RESC3216X60N 67.738,19.018 r270 top value=220k
R89 "CRCW0603470RFKEA" RESC1608X50N 65.325,30.321 r0 top value=470
R90 "CRCW1206220KFKEA" RESC3216X60N 64.69,19.018 r90 top value=220k
R91 "CRCW1206220KFKEA" RESC3216X60N 61.515,19.018 r270 top value=220k
R92 "CRCW1206220KFKEA" RESC3216X60N 61.515,24.479 r270 top value=220k
R93 "CRCW1206220KFKEA" RESC3216X60N 55.419,19.145 r90 top value=220k
R94 "CRCW1206220KFKEA" RESC3216X60N 58.467,19.145 r270 top value=220k
R95 "CRCW1206220KFKEA" RESC3216X60N 58.467,24.479 r270 top value=220k
R96 "CRCW1206220KFKEA" RESC3216X60N 52.371,19.145 r270 top value=220k
R97 "CRCW1206220KFKEA" RESC3216X60N 15.287,19.018 r270 top value=220k
R98 "CRCW1206220KFKEA" RESC3216X60N 12.366,19.018 r90 top value=220k
R99 "CRCW1206220KFKEA" RESC3216X60N 9.445,19.018 r270 top value=220k
R100 "CRCW1206220KFKEA" RESC3216X60N 9.445,24.352 r270 top value=220k
R101 "CRCW06030000Z0EBC" RESC1608X55N 9.064,27.908 r0 top value=0R
R102 "CRCW060375R0FKEAC" RESC1608X55N 35.75,112.25 r90 top value=75
R103 "CRCW060375R0FKEAC" RESC1608X55N 37.5,112.25 r90 top value=75
R104 "CRCW060375R0FKEAC" RESC1608X55N 42.846,102.076 r0 top value=75
R105 "CRCW060375R0FKEAC" RESC1608X55N 48.18,71.85 r270 top value=75
R106 "CRCW060310K0FKEA" RESC1608X50N 42.564,33.02 r0 top value=10k
R107 "CRCW060310K0FKEA" RESC1608X50N 15.386,36.83 r90 top value=10k
R108 "CRCW0603470RFKEA" RESC1608X50N 54.784,30.321 r180 top value=470
R109 "CRCW06035K60FKEA" RESC1608X50N 83.153,67.04 r270 top value=5k6
R110 "CRCW06035K60FKEA" RESC1608X50N 81.248,67.04 r270 top value=5k6
R111 "CRCW060310K0FKEA" RESC1608X50N 88.741,69.453 r90 top value=10k
R112 "CRCW06032K20FKEA" RESC1608X50N 23.209,86.725 r270 top value=2k2
R113 "CRCW06031K00FKEAC" RESC1608X55N 27.273,86.725 r270 top value=1k
R114 "CRCW06031K00FKEAC" RESC1608X55N 89.935,95.25 r180 top value=1k
R115 "CRCW06031K00FKEAC" RESC1608X55N 89.935,92.583 r180 top value=1k
R116 "CRCW06031K00FKEAC" RESC1608X55N 89.935,90.043 r180 top value=1k
R117 "CRCW06031K00FKEAC" RESC1608X55N 89.935,87.503 r180 top value=1k
R118 "CRCW0603100RFKEBC" RESC1608X55N 83.74,57.88 r90 top value=100
R119 "CRCW06031K00FKEAC" RESC1608X55N 75.025,68.818 r180 top value=1k
R120 "CRCW060310K0FKEA" RESC1608X50N 75.533,71.739 r180 top value=10k
R121 "CRCW060375R0FKEAC" RESC1608X55N 44.751,71.85 r270 top value=75
R123 "CRCW1206220KFKEA" RESC3216X60N 78.025,19.272 r270 top value=220k
R124 "CRCW1206220KFKEA" RESC3216X60N 92.63,19.272 r270 top value=220k
R125 "CRCW1206220KFKEA" RESC3216X60N 80.946,19.272 r90 top value=220k
R126 "CRCW1206220KFKEA" RESC3216X60N 89.709,19.272 r90 top value=220k
R127 "CRCW1206220KFKEA" RESC3216X60N 83.867,19.272 r270 top value=220k
R128 "CRCW1206220KFKEA" RESC3216X60N 86.788,19.272 r270 top value=220k
R129 "CRCW1206220KFKEA" RESC3216X60N 83.867,24.987 r270 top value=220k
R130 "CRCW1206220KFKEA" RESC3216X60N 86.788,24.987 r270 top value=220k
R131 "CRCW06034K70FKEAHP" RESC1608X50N 24.352,57.261 r90 top value=4k7
R132 "CRCW060310K0FKEA" RESC1608X50N 26.003,57.261 r270 top value=10k
R133 "CRCW06031K00FKEAC" RESC1608X55N 53.664,98.155 r270 top value=1k
R134 "CRCW06031K00FKEAC" RESC1608X55N 49.371,98.155 r270 top value=1k
RDY_ERR "RED" LEDC1608X80N 51.886,98.155 r90 top
RST_BTN_EXT "3-647050-2" 36470502 106.267,62.087 r90 top
S1 "SW_THT_PB_5.0mm" TACT_SWITCH_TL-1105-C 94.964,60.69 r180 top
S2 "SW_THT_PB_5.0mm" TACT_SWITCH_TL-1105-C 94.964,69.453 r180 top
TP_HS1 "Test_Point" "TEST POINT" 59.704,70.028 r270 bottom locked
TP_HS2 "Test_Point" "TEST POINT" 62.879,70.028 r270 bottom locked
TP_IAC "Test_Point" "Test Point" 32.076,62.341 r0 top
TP_IBRDG "Test_Point" "TEST POINT" 43.379,52.054 r0 top
TP_IIN "Test_Point" "Test Point" 32,55.499 r0 bottom
TP_IL1 "Test_Point" "TEST POINT" 32,52.07 r0 bottom
TP_LS1 "Test_Point" "TEST POINT" 58.529,85.649 r90 bottom locked
TP_LS2 "Test_Point" "TEST POINT" 61.704,85.649 r90 bottom locked
TP_VAC "Test_Point" "TEST POINT" 43.402,62.214 r0 top
TP_VC1 "Test_Point" "TEST POINT" 43.402,58.912 r0 top
TP_VC1_2 "Test_Point" "TEST POINT" 43.402,55.483 r0 top
TP_VIN "Test_Point" "Test Point" 32.076,58.912 r0 bottom
U1 "ISO1050DUBR" SOP254P1040X485-8N 93.237,114.554 r0 top
U2 "DCH01" DCH01 97.174,124.587 r0 top
U4 "CD74HC4075M96" SOIC127P600X175-14N#2 84.22,44.069 r270 top
U5 "OPA2350UA_2K5" SOIC127P600X175-8N 47.204,29.744 r270 top
U6 "OPA2350UA_2K5" SOIC127P600X175-8N 11.541,34.619 r90 top
U7 "OPA2350UA_2K5" SOIC127P600X175-8N 27.606,24.86 r180 top
U8 "OPA2350UA_2K5" SOIC127P600X175-8N 59.991,34.385 r180 top
U9 "OPA2350UA_2K5" SOIC127P600X175-8N 96.567,31.083 r180 top
U10 "CD74HC4075M96" SOIC127P600X175-14N#2 14.116,44.069 r90 top
WP "Header 2" HDR1X2#1 75.025,47.736 r180 top

## Footprints (in the part's own frame and the unit in brackets; to place one, negate y for a bottom-side part, rotate by r counter-clockwise, add the part's x,y. Pads: shape width x height; smd on the part's side, far side on the other; paste and mask are expansions set on the pad)
50105AC [mm]
  rect 2.85x1.2 smd: 1(-3.675,1.25) 2(3.675,1.25) 3(3.675,-1.25) 4(-3.675,-1.25)
  silkscreen extent -5.6,-3 3.65,3, body extent -4.98,-3 4.98,3, height 4.9
10090929S154VLF [mm]
  rect 1.35x1.35 hole 0.9: 1(0,0)
  round 1.35 hole 0.9: 2(-2.29,0) 3(-4.58,0) 4(-6.87,0) 5(-9.16,0) 6(1.145,-1.98) 7(-1.145,-1.98) 8(-3.435,-1.98) 9(-5.725,-1.98) 10(-8.015,-1.98) 11(0,-3.96) 12(-2.29,-3.96) 13(-4.58,-3.96) 14(-6.87,-3.96) 15(-9.16,-3.96)
  round 4.65 hole 3.1: MH1(8.16,-1.98) MH2(-16.83,-1.98)
  silkscreen extent -19.74,-8.26 11.07,4.3, body extent -19.75,-8.25 11.06,4.3, height 12.15
36470502 [mm]
  rect 1.52x1.52 hole 1.02: 1(0,0)
  round 1.52 hole 1.02: 2(-2.54,0)
  silkscreen extent -3.81,-3.48 1.8,2.87, body extent -3.81,-3.48 1.27,2.87, height 10.89
76384303LF [mm]
  rect 1.53x1.53 hole 1.02: 1(0,0)
  round 1.53 hole 1.02: 2(2.54,0) 3(5.08,0)
  silkscreen extent -1.3,-2.7 5.85,2.3, body extent -0.78,-2.62 5.84,2.63, height 9.47
BEADC2012X110N [mm]
  rect 1.2x1.4 smd mask+0.1: 1(-0.85,0) 2(0.85,0)
  silkscreen extent 0,-0.5 0,0.5, body extent -1,-0.6 1,0.6, height 1.1
C0603 [mm]
  rect 0.95x1 smd: 1(-0.8,0) 2(0.8,0)
  silkscreen extent -1.7,-0.05 -1.6,0.05, body extent -0.87,-0.48 0.88,0.47, height 0.87
C1206 [mm]
  rect 1.15x1.8 smd: 1(-1.5,0) 2(1.5,0)
  body extent -1.7,-0.9 1.7,0.9, height 1.75
C_2220_1206 [mm]
  rect 1.28x5.41 smd: 1(-2.72,0) 2(2.72,0)
  rect 1.25x1.8 smd: 1(-1.5,0) 2(1.5,0)
  silkscreen extent 0,-2.4 0,2.4
CAPC1608X87N [mm]
  rect 0.78x0.98 smd: 1(-0.7,0) 2(0.7,0)
  body extent -0.87,-0.48 0.88,0.47, height 0.87
CAPC1608X90N [mm]
  rect 0.73x0.94 smd: 1(-0.71,0) 2(0.71,0)
  body extent -0.8,-0.4 0.8,0.4, height 0.9
CAPC1608X95N [mm]
  rect 0.81x0.99 smd: 1(-0.69,0) 2(0.69,0)
  body extent -0.82,-0.43 0.82,0.43, height 0.95
CAPC2012X135N [mm]
  rect 0.91x1.39 smd: 1(-0.82,0) 2(0.82,0)
  silkscreen extent 0,-0.53 0,0.53, body extent -1,-0.63 1,0.63, height 1.35
CAPC3216X180N [mm]
  rect 1.05x1.82 smd: 1(-1.39,0) 2(1.39,0)
  silkscreen extent 0,-0.7 0,0.7, body extent -1.6,-0.8 1.6,0.8, height 1.8
CAPC3225X270N [mm]
  rect 1.26x2.72 smd: 1(-1.33,0) 2(1.33,0)
  silkscreen extent 0,-1.15 0,1.15, body extent -1.6,-1.25 1.6,1.25, height 2.7
CDRH104RNP100NC [mm]
  rect 3.2x1.6 smd: 1(0,4.45) 2(0,-4.45)
  silkscreen extent -5,-5.1 5,5.1, body extent -5,-5.1 5,5.1, height 4.1
DCH01 [mm] "Fuente DCDC 5V - 5V - Revisada por ES 28/08/15"
  round 2 hole 1.45 mask+0.102: 1(-7.74,2.55) 2(-5.2,2.55)
  round 2 hole 1.45: 5(2.42,2.55) 7(7.5,2.55)
  silkscreen extent -10.54,-4.57 10.54,4.57
DIOM5026X229N [mm]
  rect 2.2x1.55 smd: 1(-2.05,0) 2(2.05,0)
  silkscreen extent -2.83,-1.3 2.52,1.3, body extent -2.52,-1.3 2.52,1.3, height 2.29
DIOM7959X262N [mm]
  rect 2.3x3.15 smd: 1(-3.45,0) 2(3.45,0)
  silkscreen extent -4.6,-2.95 3.97,2.95, body extent -3.97,-2.95 3.97,2.95, height 2.62
HDR1X2#1 [mm] "Connector; Header; 2 Position"
  oval 1.8x2.2 hole 1.2: 1(0,0) 2(2.54,0)
  silkscreen extent -1.48,-1.48 4.02,1.48
HDR1X2#2 [mm] "Connector; Header; 2 Position"
  rect 1.5x1.5 hole 0.9: 1(0,0)
  round 1.5 hole 0.9: 2(2.54,0)
  silkscreen extent -1.27,-1.27 3.81,1.27
L77TSEH09SOL2RM8#1 [mm]
  rect 1.5x1.5 hole 1: 1(0,0)
  round 1.5 hole 1: 2(-2.77,0) 3(-5.54,0) 4(-8.31,0) 5(-11.08,0) 6(-1.385,-2.84) 7(-4.155,-2.84) 8(-6.925,-2.84) 9(-9.695,-2.84)
  round 4.65 hole 3.1: MH1(6.955,-1.42) MH2(-18.035,-1.42)
  silkscreen extent -20.95,-7.7 9.86,5.4, body extent -20.95,-7.7 9.87,4.85, height 11.8
L77TSEH09SOL2RM8#2 [mm]
  rect 1.5x1.5 hole 1: 1(0,0)
  round 1.5 hole 1 unplated: 2(-2.77,0) 6(-1.385,-2.84)
  round 1.5 hole 1: 3(-5.54,0) 4(-8.31,0) 5(-11.08,0) 7(-4.155,-2.84) 8(-6.925,-2.84) 9(-9.695,-2.84)
  round 4.65 hole 3.1: MH1(6.955,-1.42) MH2(-18.035,-1.42)
  silkscreen extent -20.95,-7.7 9.86,5.4, body extent -20.95,-7.7 9.87,4.85, height 11.8
L78L05ABUTR [mm]
  rect 0.57x1.4 smd mask+0.127: 1(-1.5,-1.744) 3(1.5,-1.744)
  rect 0.65x1.9 smd: 2(0,-1.494)
  rect 2x2.45 smd mask+0.127: 4(0,0.681)
  silkscreen extent -2.25,-2.92 2.25,1.22, body extent -2.3,-2.49 2.3,1.75, height 1.65
LEDC1608X80N [mm]
  rect 0.95x0.95 smd: 1(-0.75,0) 2(0.75,0)
  silkscreen extent -1.58,-0.82 0.75,0.82, body extent -0.83,-0.4 0.77,0.4, height 0.7
MOLEXDIMM-100-876301001_SD [mil] "Revisada por ES 28/08/15"
  rect 66x66 hole 37.8 mask+3: 1(125,-37.6)
  round 66 hole 37.8 mask+3: 2(175,-112.6) 3(225,-37.6) 4(275,-112.6) 5(325,-37.6) 6(375,-112.6) 7(625,-37.6) 8(675,-112.6) 9(725,-37.6) 10(775,-112.6) 11(825,-37.6) 12(875,-112.6) 13(925,-37.6) 14(975,-112.6) 15(1025,-37.6) 16(1075,-112.6) 17(1125,-37.6) 18(1175,-112.6) 19(1225,-37.6) 20(1275,-112.6) 21(1325,-37.6) 22(1375,-112.6) 23(1625,-37.6) 24(1675,-112.6) 25(1725,-37.6) 26(1775,-112.6) 27(1825,-37.6) 28(1875,-112.6) 29(1925,-37.6) 30(1975,-112.6) 31(2025,-37.6) 32(2075,-112.6) 33(2125,-37.6) 34(2175,-112.6) 35(2225,-37.6) 36(2275,-112.6) 37(2325,-37.6) 38(2375,-112.6) 39(2425,-37.6) 40(2475,-112.6) 41(2525,-37.6) 42(2575,-112.6) 43(2625,-37.6) 44(2675,-112.6) 45(2725,-37.6) 46(2775,-112.6) 47(2825,-37.6) 48(2875,-112.6) 49(2925,-37.6) 50(2975,-112.6) 51(125,112.6) 52(175,37.6) 53(225,112.6) 54(275,37.6) 55(325,112.6) 56(375,37.6) 57(625,112.6) 58(675,37.6) 59(725,112.6) 60(775,37.6) 61(825,112.6) 62(875,37.6) 63(925,112.6) 64(975,37.6) 65(1025,112.6) 66(1075,37.6) 67(1125,112.6) 68(1175,37.6) 69(1225,112.6) 70(1275,37.6) 71(1325,112.6) 72(1375,37.6) 73(1625,112.6) 74(1675,37.6) 75(1725,112.6) 76(1775,37.6) 77(1825,112.6) 78(1875,37.6) 79(1925,112.6) 80(1975,37.6) 81(2025,112.6) 82(2075,37.6) 83(2125,112.6) 84(2175,37.6) 85(2225,112.6) 86(2275,37.6) 87(2325,112.6) 88(2375,37.6) 89(2425,112.6) 90(2475,37.6) 91(2525,112.6) 92(2575,37.6) 93(2625,112.6) 94(2675,37.6) 95(2725,112.6) 96(2775,37.6) 97(2825,112.6) 98(2875,37.6) 99(2925,112.6) 100(2975,37.6)
  round 140.16 hole 100.79 mask+3: AA(0,0) AB(3100,0)
  body extent -507,-145 3607,145, height 970
RESC1608X50N [mm]
  rect 0.85x1 smd: 1(-0.75,0) 2(0.75,0)
  body extent -0.5,-0.25 0.5,0.25, height 0.35
RESC1608X55N [mm]
  rect 0.8x1 smd: 1(-0.8,0) 2(0.8,0)
  silkscreen extent 0,-0.33 0,0.33, body extent -0.8,-0.43 0.8,0.43, height 0.55
RESC3216X60N [mm]
  rect 1.05x1.8 smd: 1(-1.5,0) 2(1.5,0)
  silkscreen extent 0,-0.7 0,0.7, body extent -1.42,-0.74 1.78,0.86, height 0.55
SOIC127P600X175-8N [mm]
  rect 1.525x0.65 smd: 1(-2.712,1.905) 2(-2.712,0.635) 3(-2.712,-0.635) 4(-2.712,-1.905) 5(2.712,-1.905) 6(2.712,-0.635) 7(2.712,0.635) 8(2.712,1.905)
  silkscreen extent -3.58,-2.56 1.6,2.69, body extent -3,-2.45 3,2.45, height 1.75
SOIC127P600X175-14N#1 [mm]
  rect 1.55x0.65 smd: 1(-2.725,3.81) 2(-2.725,2.54) 3(-2.725,1.27) 4(-2.725,0) 5(-2.725,-1.27) 6(-2.725,-2.54) 7(-2.725,-3.81) 8(2.725,-3.81) 9(2.725,-2.54) 10(2.725,-1.27) 11(2.725,0) 12(2.725,1.27) 13(2.725,2.54) 14(2.725,3.81)
  silkscreen extent -3.5,-4.47 1.6,4.48, body extent -3,-4.47 3,4.47, height 1.75
SOIC127P600X175-14N#2 [mm]
  rect 1.525x0.65 smd: 1(-2.712,3.81) 2(-2.712,2.54) 3(-2.712,1.27) 4(-2.712,0) 5(-2.712,-1.27) 6(-2.712,-2.54) 7(-2.712,-3.81) 8(2.712,-3.81) 9(2.712,-2.54) 10(2.712,-1.27) 11(2.712,0) 12(2.712,1.27) 13(2.712,2.54) 14(2.712,3.81)
  silkscreen extent -3.58,-4.43 1.6,4.59, body extent -3.01,-4.33 3.01,4.33, height 1.75
SOP65P400X130-8N [mm]
  rect 1.1x0.45 smd: 1(-1.95,0.975) 2(-1.95,0.325) 3(-1.95,-0.325) 4(-1.95,-0.975) 5(1.95,-0.975) 6(1.95,-0.325) 7(1.95,0.325) 8(1.95,0.975)
  silkscreen extent -2.61,-1.58 1.13,1.66, body extent -2.01,-1.48 2.01,1.48, height 0.91
SOP65P640X120-14N [mm]
  rect 1.475x0.45 smd: 1(-2.938,1.95) 2(-2.938,1.3) 3(-2.938,0.65) 4(-2.938,0) 5(-2.938,-0.65) 6(-2.938,-1.3) 7(-2.938,-1.95) 8(2.938,-1.95) 9(2.938,-1.3) 10(2.938,-0.65) 11(2.938,0) 12(2.938,0.65) 13(2.938,1.3) 14(2.938,1.95)
  silkscreen extent -3.78,-2.61 1.95,2.63, body extent -3.2,-2.5 3.2,2.5, height 1.13
SOP65P640X120-20N [mm]
  rect 1.475x0.45 smd: 1(-2.938,2.925) 2(-2.938,2.275) 3(-2.938,1.625) 4(-2.938,0.975) 5(-2.938,0.325) 6(-2.938,-0.325) 7(-2.938,-0.975) 8(-2.938,-1.625) 9(-2.938,-2.275) 10(-2.938,-2.925) 11(2.938,-2.925) 12(2.938,-2.275) 13(2.938,-1.625) 14(2.938,-0.975) 15(2.938,-0.325) 16(2.938,0.325) 17(2.938,0.975) 18(2.938,1.625) 19(2.938,2.275) 20(2.938,2.925)
  silkscreen extent -3.78,-3.36 1.85,3.61, body extent -3.2,-3.25 3.2,3.25, height 1.2
SOP254P1040X485-8N [mm]
  rect 2.35x0.7 smd: 1(-4.525,3.81) 2(-4.525,1.27) 3(-4.525,-1.27) 4(-4.525,-3.81) 5(4.525,-3.81) 6(4.525,-1.27) 7(4.525,1.27) 8(4.525,3.81)
  silkscreen extent -5.7,-4.64 3,4.64, body extent -5.2,-4.64 5.2,4.64, height 4.85
SOT95P237X112-3N [mm]
  rect 1.3x0.6 smd: 1(-1.05,0.95) 2(-1.05,-0.95) 3(1.05,0)
  silkscreen extent -1.72,-1.57 0.16,1.61, body extent -1.18,-1.46 1.18,1.46, height 1.12
SOT95P275X110-6N [mm]
  rect 1.25x0.6 smd: 1(-1.25,0.95) 2(-1.25,0) 3(-1.25,-0.95) 4(1.25,-0.95) 5(1.25,0) 6(1.25,0.95)
  silkscreen extent -1.98,-1.61 0.29,1.71, body extent -1.38,-1.5 1.38,1.5, height 1.1
SOT95P285X140-6N [mm]
  rect 1.15x0.6 smd mask+0.05: 1(-1.3,0.95) 2(-1.3,0) 3(-1.3,-0.95) 4(1.3,-0.95) 5(1.3,0) 6(1.3,0.95)
  silkscreen extent -1.88,-1.5 0.38,1.6, body extent -1.43,-1.5 1.43,1.5, height 1.4
SOT230P700X180-4N [mm]
  rect 1.85x0.9 smd: 1(-3.1,2.3) 2(-3.1,0) 3(-3.1,-2.3)
  rect 1.85x3.2 smd: 4(3.1,0)
  silkscreen extent -4.13,-3.36 1.86,3.36, body extent -3.5,-3.25 3.5,3.25, height 1.8
TACT_SWITCH_TL-1105-C [mm] "E-Switch TL1105 series tact switch 8.0mm stem height"
  round 0.508 on Mech15: 0(0,0)
  round 2.1 hole 1: 1(-3.25,-2.25) 1(3.25,-2.25) 2(-3.25,2.25) 2(3.25,2.25)
  silkscreen extent -3.17,-3.24 3.17,3.24, body extent -3.95,-3 3.95,3, height 8
"TEST POINT" [mm] "Punta de prueba Osciloscopio- Revisada por JL 07/04/21"
  round 2 hole 1 mask+0.102: 1(0,0)
  round 2 hole 0.65 mask+0.102: 2(6.5,0)
  silkscreen extent -1.5,-1.38 8,1.38
"Test Point" [mm] "Punta de prueba Osciloscopio- Revisada por JL 07/04/21"
  round 2 hole 1 mask+0.102: 1(0,0)
  round 2 hole 0.65 mask+0.102: 2(6.5,0)
  silkscreen extent -1.5,-1.38 8,1.38
TST10701GD06 [mm]
  round 1.53 hole 1.02: 1(0,0) 2(0,2.54) 3(2.54,0) 4(2.54,2.54) 5(5.08,0) 6(5.08,2.54) 7(7.62,0) 8(7.62,2.54) 9(10.16,0) 10(10.16,2.54) 11(12.7,0) 12(12.7,2.54) 13(15.24,0) 14(15.24,2.54)
  silkscreen extent -6,-3.36 20.32,5.9, body extent -5.08,-3.36 20.32,5.9, height 9.37